# KiCad board MAXI030.kicad_pcb (continued)
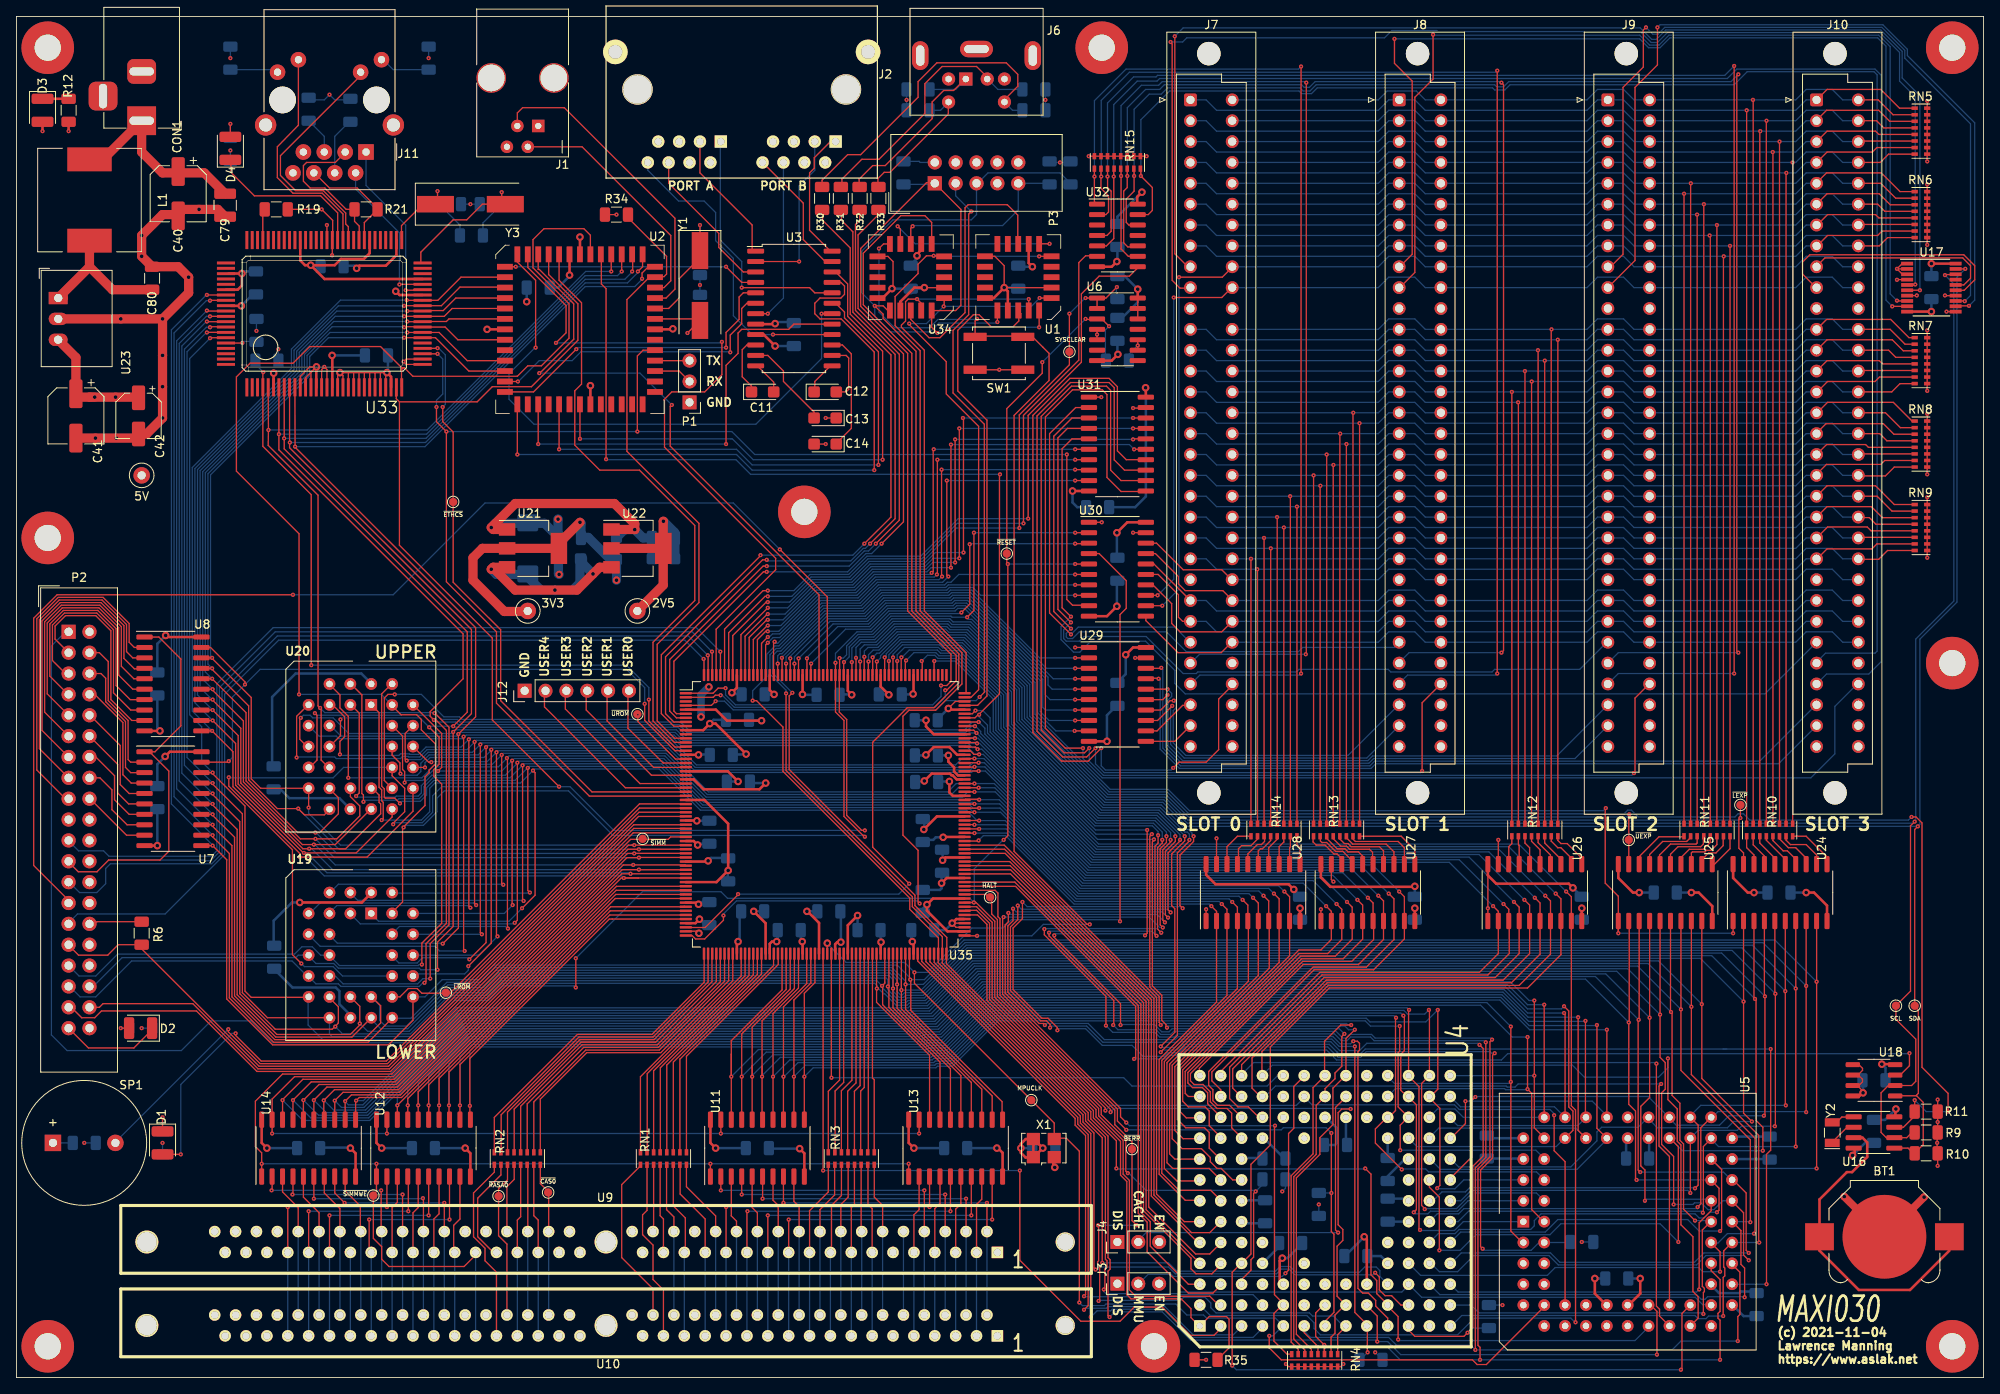
[diagram p0: board, top side]
## Routing (per net, layer and track width the routed paths; a pad name or vN(x,y) marks a point on that pad's centre or on a via; arc(x,y) is an arc through that point) (continued)
  Top w0.152: v1(187.32,58.93) 187.96,58.29 U26.8 187.96,51.5 183.9,47.43 159.77,47.43 152.59,40.26 152.59,28.32 150.24,25.97 150.24,15.05 U4.C4 149.1,14.29 ; v1(202.56,0.95) 202.69,1.08 202.69,7.81 U5.25 ; v1(50.86,80.9) 50.93,80.9 52.64,79.18 52.64,55.12 50.36,52.83 v1(50.36,48.58) ; v1(117.09,79.82) 117.08,79.83 U35.173 ; U33.5 v1(30.67,115.38) 30.64,113.5 36.7,107.44 36.7,81.79 v1(36.96,81.53) 37.08,81.41 37.08,75.18 38.04,74.23 ; 149.1,13.97 147.96,12.83 v1(147.96,1.46) ; U2.50 v1(72.39,134.68)
  Bottom w0.152: v1(147.96,1.46) 148.46,0.95 v1(202.56,0.95) ; v1(187.32,58.93) 181.61,64.64 131.57,64.64 117.86,78.36 117.86,79.07 117.11,79.82 v1(117.09,79.82) 116.33,79.82 115.38,78.87 81.79,78.87 80.84,79.82 53.98,79.82 53.66,80.14 51.69,80.14 50.93,80.9 v1(50.86,80.9) 50.8,80.96 37.53,80.96 v1(36.96,81.53) ; 38.1,74.1 38.1,74.17 ; v1(30.67,115.38) 49.97,115.38 69.28,134.68 v1(72.39,134.68) ; v1(50.36,48.58) 49.47,48.58 48.83,47.94 39.75,47.94 38.86,48.83 38.04,48.83
A2: length 490
  Top w0.152: v1(186.06,58.67) 186.69,58.04 U26.7 186.69,51.56 182.88,47.75 159.64,47.75 151.57,39.69 151.57,36.7 ; v1(116.65,79.31) 116.63,79.33 U35.172 ; U5.24 204.66,7.24 204.66,9.84 204.03,10.48 204.03,17.15 202.56,18.61 202.56,28.32 202.12,28.77 202.12,32.7 200.98,33.85 v1(200.98,38.86) ; U2.49 v1(73.66,134.68) ; U33.7 v1(31.94,114.87) 31.94,112.97 54.36,90.55 54.36,85.09 50.36,81.09 50.36,80.52 v1(50.8,80.07) 51.05,80.07 52.32,78.8 52.32,55.31 49.85,52.83 49.85,48.26 v1(49.66,48.07) ; 35.56,74.17 36.58,75.18 36.58,80.65 v1(36.32,80.9)
  Bottom w0.152: v1(31.94,114.87) 49.91,114.87 69.22,134.18 73.15,134.18 v1(73.66,134.68) ; v1(200.98,38.86) 200.98,37.72 199.83,36.58 190.82,36.58 189.36,38.04 152.84,38.04 151.57,36.77 ; 35.56,48.83 36.45,47.94 39.18,47.94 39.5,47.62 49.02,47.62 49.47,48.07 v1(49.66,48.07) ; v1(36.32,80.9) 36.58,80.65 50.23,80.65 v1(50.8,80.07) 51.05,79.82 53.47,79.82 53.78,79.5 80.64,79.5 81.59,78.55 115.51,78.55 116.29,79.33 116.63,79.33 v1(116.65,79.31) 116.71,79.31 117.35,78.68 117.35,78.42 131.44,64.33 180.4,64.33 v1(186.06,58.67) ; P2.35 6.48,47.62 7.75,46.36 9.65,46.36 14.02,50.72 33.54,50.72 35.37,48.9 35.62,48.9
A3: length 470.7
  Top w0.152: v1(184.79,58.42) 185.42,57.78 U26.6 185.42,51.56 181.93,48.07 159.51,48.07 150.37,38.93 150.37,35.24 151.45,34.16 ; 32.59,114.25 U33.8 ; 32.59,114.25 32.59,114.35 v1(32.58,114.36) ; 32.59,114.25 32.59,113.08 54.86,90.81 54.86,81.03 v1(53.15,79.31) ; v1(116.84,78.49) 116.5,78.83 U35.171 ; U5.23 201.17,26.92 199.9,28.19 199.9,35.5 v1(200.15,35.75) ; v1(39.43,80.14) 39.43,78.17 38.16,76.9 ; v1(49.34,50.29) 49.34,52.9 51.75,55.31 51.75,72.26 50.8,73.22 50.8,74.04 51.44,74.68 51.44,77.98 v1(50.23,79.18) ; 74.99,136.33 74.99,134.75 v1(74.93,134.68)
  Bottom w0.152: P2.33 6.41,50.17 ; P2.33 6.6,50.17 ; P2.33 7.62,48.9 9.65,48.9 12.32,51.56 33.85,51.56 34.73,52.45 36,52.45 37.02,51.44 U19.10 ; v1(39.43,80.14) 39.62,80.33 49.09,80.33 v1(50.23,79.18) 50.36,79.31 v1(53.15,79.31) 53.28,79.18 80.51,79.18 81.46,78.23 115.7,78.23 115.95,78.49 v1(116.84,78.49) 131.32,64.01 179.2,64.01 v1(184.79,58.42) ; v1(49.34,50.29) 49.02,50.29 48.9,50.17 39.31,50.17 38.1,51.37 ; v1(74.93,134.68) 74.93,134.62 74.04,133.73 69.22,133.73 49.85,114.36 v1(32.58,114.36) ; v1(200.15,35.75) 182.75,35.75 182.37,35.37 181.42,35.37 181.29,35.5 153.23,35.5 151.96,34.23 U4.D12
A4: length 476.7
  Top w0.152: U26.5 184.15,57.53 v1(183.51,58.17) ; 33.24,113.82 33.24,113.22 55.37,91.09 55.37,80.84 v1(53.15,78.61) 53.15,54.93 51.24,53.02 v1(51.24,49.66) ; 33.24,113.82 U33.9 ; 33.24,113.82 v1(33.27,113.86) ; v1(75.63,134.68) 76.2,135.25 U2.47 ; U5.22 199.96,7.49 199.96,8.32 199.58,8.7 v1(199.58,38.23) ; U4.C13 149.1,38.1 159.38,48.39 180.91,48.39 184.15,51.63 184.15,55.63 ; 35.56,76.64 34.48,77.72 34.48,80.2 v1(34.61,80.33) ; v1(116.65,77.85) 115.38,77.85 115.32,77.91
  Bottom w0.152: v1(33.27,113.86) 49.78,113.86 69.22,133.29 74.36,133.29 75.63,134.56 v1(75.63,134.68) ; v1(51.24,49.66) 49.21,49.66 49.02,49.85 39.18,49.85 38.61,50.42 36.45,50.42 35.5,51.37 ; v1(183.51,58.17) 177.99,63.69 131.19,63.69 117.03,77.85 v1(116.65,77.85) 116.59,77.91 81.27,77.91 80.31,78.87 53.4,78.87 v1(53.15,78.61) 52.96,78.42 40.45,78.42 38.54,80.33 36.07,80.33 35.75,80.65 34.93,80.65 v1(34.61,80.33) ; P2.36 9.35,47.62 12.85,51.13 33.99,51.13 34.29,51.44 35.37,51.44 35.5,51.31 ; 149.1,36.89 150.56,38.35 199.45,38.35 v1(199.58,38.23)
A5: length 352.4
  Top w0.152: v1(182.25,57.91) 182.88,57.28 U26.4 182.88,51.63 179.96,48.7 159.13,48.7 148.02,37.59 148.02,35.24 149.03,34.23 ; v1(116.9,77.22) 116.79,77.33 U35.168 ; v1(51.88,52.83) 53.78,54.74 v1(53.78,78.36) 55.88,80.45 55.88,91.31 33.91,113.28 v1(33.91,113.35) U33.10 ; v1(76.14,133.79) 76.14,134.49 76.9,135.25 U2.46 77.34,135.25
  Bottom w0.152: v1(51.88,52.83) 51.82,52.9 39.05,52.9 38.1,53.85 ; v1(76.14,133.79) 76.14,133.73 75.25,132.84 69.22,132.84 49.72,113.35 v1(33.91,113.35) ; 53.94,78.45 54.04,78.55 80.18,78.55 81.13,77.6 115.89,77.6 116.27,77.22 v1(116.9,77.22) 117.22,77.22 131.06,63.37 176.78,63.37 v1(182.25,57.91) ; 53.94,78.45 53.85,78.36 v1(53.78,78.36) ; 53.94,78.45 53.59,78.1 39.5,78.1 38.23,79.38
A6: length 257.7
  Top w0.152: U26.3 181.61,57.02 v1(180.98,57.66) ; v1(54.42,78.04) 54.42,52.07 v1(54.55,51.94) ; U4.D11 151.19,31.69 149.92,32.96 148.65,32.96 147.64,33.97 147.64,37.78 158.88,49.02 179.07,49.02 181.67,51.63 181.67,55.63 ; v1(116.97,76.52) 116.71,76.77 115.38,76.77 115.32,76.84
  Bottom w0.152: v1(54.55,51.94) 51.5,51.94 50.93,52.51 36.96,52.51 35.56,53.91 ; 54.67,78.17 54.74,78.23 80.04,78.23 80.99,77.28 115.76,77.28 116.33,76.71 116.78,76.71 v1(116.97,76.52) 117.48,76.52 130.94,63.06 175.58,63.06 v1(180.98,57.66) ; 54.67,78.17 54.29,77.79 39.24,77.79 38.93,78.1 36.83,78.1 U20.7 ; 54.67,78.17 54.55,78.04 v1(54.42,78.04)
A7: length 243.1
  Top w0.152: v1(179.71,57.4) 180.34,56.77 U26.2 180.34,51.63 178.05,49.34 158.62,49.34 146.56,37.27 U4.B13 ; 38.48,81.91 39.94,80.45 39.94,78.04 39.37,77.47 v1(39.37,75.88) ; v1(55.25,57.21) 55.05,57.4 v1(55.05,77.72) ; v1(117.16,75.88) 116.52,75.88 116.08,76.33 U35.166
  Bottom w0.152: v1(55.25,57.21) 55.18,57.21 54.93,57.47 38.99,57.47 38.1,56.58 ; v1(179.71,57.4) 174.37,62.74 130.81,62.74 117.67,75.88 v1(117.16,75.88) 116.62,75.88 115.54,76.96 80.85,76.96 79.9,77.91 55.25,77.91 v1(55.05,77.72) 54.1,76.77 49.85,76.77 48.96,75.88 47.88,75.88 47.82,75.95 46.74,75.95 46.55,75.76 39.5,75.76 v1(39.37,75.88)
A8: length 232.3
  Top w0.152: U27.9 168.91,58.55 v1(168.28,59.18) ; v1(55.94,57.53) 55.75,57.72 v1(55.75,77.41) ; 168.91,55.75 168.91,53.4 165.16,49.66 157.92,49.66 145.48,37.21 145.48,36.13 146.56,35.05 U4.B12 ; v1(34.1,75.5) 34.1,80.52 35.5,81.91 ; v1(116.59,75.37) 115.57,75.37
  Bottom w0.152: 35.56,56.39 36.96,57.78 55.63,57.78 55.88,57.53 v1(55.94,57.53) ; v1(34.1,75.5) 34.16,75.56 38.74,75.56 38.93,75.37 46.74,75.37 46.99,75.63 47.69,75.63 47.75,75.56 49.09,75.56 49.97,76.45 54.83,76.45 55.98,77.6 79.76,77.6 82.75,74.6 114.29,74.6 115.06,75.37 v1(116.59,75.37) 117.73,75.37 130.68,62.42 165.04,62.42 v1(168.28,59.18)
A9: length 209.8
  Top w0.152: v1(117.09,74.87) 115.42,74.87 U35.163 ; v1(47.5,75.12) 47.31,75.31 47.31,78.42 U20.27 ; U4.C11 147.64,33.15 146.18,33.15 145.61,33.72 145.61,35.05 145.1,35.56 145.1,37.27 157.8,49.97 164.27,49.97 167.64,53.34 U27.8 167.64,58.29 v1(167,58.93) ; v1(56.45,77.09) 56.45,54.17 v1(56.64,53.98)
  Bottom w0.152: U20.27 48.2,79.44 ; 56.51,77.14 55.5,76.14 50.1,76.14 49.21,75.25 47.63,75.25 v1(47.5,75.12) ; 56.51,77.14 v1(56.45,77.09) ; 56.51,77.14 56.64,77.28 79.62,77.28 82.6,74.3 115.82,74.3 116.4,74.87 v1(117.09,74.87) 117.79,74.87 130.56,62.1 163.83,62.1 v1(167,58.93) ; v1(56.64,53.98) U19.27
A10: length 206.3
  Top w0.152: 143.95,36.7 143.95,37.66 156.59,50.29 163.32,50.29 166.37,53.34 U27.7 166.37,58.04 v1(165.74,58.67) ; v1(57.15,76.77) 57.15,52.96 v1(55.12,50.93) ; U20.26 45.72,75.79 46.67,74.83 46.67,73.6 v1(46.74,73.53) ; U35.162 116.56,74.33 v1(116.59,74.36)
  Bottom w0.152: v1(46.74,73.53) 46.93,73.34 48.77,73.34 49.21,73.79 49.21,74.8 50.23,75.82 56.2,75.82 v1(57.15,76.77) 57.34,76.96 79.48,76.96 82.45,73.99 116.09,73.99 116.46,74.36 v1(116.59,74.36) 117.86,74.36 130.43,61.79 162.62,61.79 v1(165.74,58.67) ; v1(55.12,50.93) 54.93,51.12 49.4,51.12 48.77,50.48 46.55,50.48 45.66,51.37
A11: length 208.3
  Top w0.152: 165.16,55.63 165.16,53.34 162.5,50.67 156.53,50.67 142.88,37.02 142.88,36.13 143.32,35.69 144.4,35.69 145.29,34.8 145.29,33.59 146.11,32.77 147.32,32.77 147.89,32.19 147.89,30.42 149.1,29.21 U4.C10 ; v1(49.72,74.3) U20.23 48.2,74.36 ; v1(164.47,58.42) 165.1,57.78 U27.6 ; v1(117.09,73.85) 115.63,73.85 ; v1(57.79,76.45) 57.79,52.9 v1(54.99,50.1)
  Bottom w0.152: v1(54.99,50.1) 54.99,49.59 54.55,49.15 48.39,49.15 48.07,48.83 ; v1(164.47,58.42) 161.42,61.47 130.3,61.47 117.92,73.85 v1(117.09,73.85) 116.4,73.85 116.23,73.69 82.3,73.69 79.34,76.64 57.98,76.64 v1(57.79,76.45) 57.85,76.45 56.9,75.5 50.36,75.5 49.72,74.87 v1(49.72,74.3)
A12: length 200.6
  Top w0.152: v1(50.48,74.93) 50.17,74.93 U20.25 ; v1(163.19,58.17) 163.83,57.53 U27.5 163.83,53.37 161.45,50.99 156.4,50.99 142.56,37.15 142.56,35.88 143.13,35.31 144.34,35.31 144.97,34.67 144.97,33.34 146.56,31.75 ; v1(58.55,53.72) 58.42,53.85 v1(58.42,76.14) ; v1(116.59,72.33) 116.58,72.33 U35.158
  Bottom w0.152: v1(50.48,74.93) 50.55,74.99 57.28,74.99 58.48,76.2 58.58,76.2 ; v1(58.55,53.72) 56.26,51.44 48.51,51.44 48.39,51.56 ; 58.48,76.07 v1(58.42,76.14) 58.61,76.33 79.2,76.33 84.21,71.31 113.35,71.31 114.36,72.33 v1(116.59,72.33) 119,72.33 130.18,61.15 160.21,61.15 v1(163.19,58.17)
A13: length 218.9
  Top w0.152: 38.1,84.39 39.37,83.12 39.37,81.53 40.39,80.52 v1(40.39,73.03) ; v1(59.25,60.01) 59.06,60.2 v1(59.06,75.82) ; v1(117.09,71.82) 115.63,71.82 ; v1(161.93,57.91) 162.56,57.28 U27.4 ; 162.62,55.5 162.56,55.44 162.56,53.37 160.5,51.31 156.27,51.31 142.24,37.27 142.24,34.61 142.62,34.23 U4.A12
  Bottom w0.152: 59.13,75.83 59.07,75.83 57.91,74.68 50.99,74.68 49.34,73.03 v1(40.39,73.03) ; 59.2,75.83 59.18,75.82 v1(59.06,75.82) 59.25,76.01 79.06,76.01 84.07,70.99 113.79,70.99 114.62,71.82 v1(117.09,71.82) 119.06,71.82 130.05,60.83 159,60.83 v1(161.93,57.91) ; 38.16,59.06 38.1,58.99 39.18,60.07 59.18,60.07 v1(59.25,60.01)
A14: length 209.2
  Top w0.152: v1(59.82,54.67) 59.75,54.74 59.75,75.37 v1(59.69,75.44) ; v1(160.66,57.66) 161.29,57.02 U27.3 ; v1(116.59,71.31) 116.57,71.33 U35.156 ; U4.B10 146.62,29.21 145.16,30.67 145.16,32.45 144.65,32.96 142.62,32.96 141.92,33.66 141.92,37.47 156.08,51.63 159.58,51.63 161.29,53.34 161.29,55.31 161.35,55.37 ; v1(47.24,72.45) 47.24,73.79 46.99,74.04 46.99,78.1 45.66,79.44
  Bottom w0.152: v1(47.24,72.45) 47.5,72.71 49.47,72.71 51.12,74.36 58.64,74.36 59.82,75.53 ; v1(59.82,54.67) 59.75,54.67 59.5,54.93 46.61,54.93 45.66,53.98 ; 59.82,75.44 v1(59.69,75.44) 59.94,75.69 78.92,75.69 83.93,70.68 115.13,70.68 115.76,71.31 v1(116.59,71.31) 119.13,71.31 129.92,60.52 157.8,60.52 v1(160.66,57.66)
A15: length 194.9
  Top w0.152: v1(117.16,70.36) 117.09,70.42 115.48,70.42 U35.154 ; v1(51.31,73.85) 51.75,74.3 51.75,78.42 48.32,81.85 ; 143.76,31.62 142.37,31.62 141.61,32.39 141.61,37.59 156.08,52.07 158.75,52.07 160.02,53.34 U27.2 160.02,56.77 v1(159.38,57.4) ; v1(60.33,75.12) 60.33,57.59 v1(60.39,57.53)
  Bottom w0.152: v1(60.39,57.53) 59.37,56.52 U19.29 ; 51.31,73.79 51.37,73.79 v1(51.31,73.85) 59.06,73.85 v1(60.33,75.12) 60.58,75.37 78.78,75.37 83.79,70.36 v1(117.16,70.36) 119.6,70.36 129.76,60.2 156.59,60.2 v1(159.38,57.4)
A16: length 217.2
  Top w0.152: v1(154.31,59.18) 154.94,58.55 U28.9 ; v1(60.96,74.87) 60.96,55.69 v1(60.64,55.37) ; 40.64,81.98 41.72,80.9 41.72,71.18 v1(41.34,70.8) ; U4.B9 146.49,26.61 145.16,27.94 145.16,29.84 144.59,30.42 142.3,30.42 141.29,31.43 141.29,37.72 154.94,51.37 154.94,55.56 ; v1(116.59,69.85) 116.57,69.83 U35.153
  Bottom w0.152: 40.64,56.45 41.85,55.25 60.52,55.25 v1(60.64,55.37) ; 61.06,74.77 60.93,74.77 59.5,73.34 50.55,73.34 49.28,72.07 49.28,71.18 48.9,70.8 46.23,70.8 46.1,70.68 41.47,70.68 v1(41.34,70.8) ; v1(154.31,59.18) 153.61,59.88 129.64,59.88 119.67,69.85 v1(116.59,69.85) 116.4,70.04 83.65,70.04 78.64,75.06 61.15,75.06 v1(60.96,74.87)
A17: length 212.7
  Top w0.152: v1(153.04,58.93) 153.67,58.29 U28.8 153.67,50.55 140.97,37.85 140.97,30.1 141.99,29.08 144.02,29.08 ; v1(61.72,58.04) 61.6,58.17 v1(61.6,74.55) ; v1(117.16,69.34) 117.15,69.33 U35.152 ; 40.64,84.52 42.04,83.12 42.04,71.12 42.23,70.93 v1(42.23,70.1)
  Bottom w0.152: 152.97,58.93 v1(153.04,58.93) 152.4,59.56 144.46,59.56 ; 144.46,59.56 144.4,59.56 ; 144.46,59.56 129.48,59.56 119.7,69.34 v1(117.16,69.34) 116.4,69.34 116.01,69.72 83.52,69.72 78.5,74.74 61.79,74.74 v1(61.6,74.55) ; 40.64,58.99 41.53,58.1 61.66,58.1 v1(61.72,58.04) ; 61.66,74.61 60.07,73.03 50.67,73.03 49.59,71.95 49.59,71.06 49.02,70.49 46.55,70.49 46.36,70.29 42.42,70.29 v1(42.23,70.1)
A18: length 209.4
  Top w0.152: v1(151.76,58.67) 152.4,58.04 U28.7 ; v1(116.59,68.83) 116.58,68.83 U35.151 ; v1(46.67,69.91) 46.04,70.55 44.89,70.55 44.77,70.68 44.77,71.69 44.45,72.01 44.45,83.25 45.66,84.46 ; v1(62.23,74.23) 62.23,59.31 v1(62.48,59.06) ; 152.46,55.5 152.46,49.85 140.65,38.04 140.65,29.08 141.86,27.88 144.21,27.88 145.29,26.8 145.29,26.29 146.11,25.46 146.62,25.46 148.02,24.07 U4.C8
  Bottom w0.152: 45.78,58.99 62.42,58.99 v1(62.48,59.06) ; v1(62.23,74.23) 62.42,74.42 78.38,74.42 83.39,69.41 115.89,69.41 116.46,68.83 v1(116.59,68.83) 119.76,68.83 129.35,59.25 151.19,59.25 v1(151.76,58.67) ; v1(46.67,69.91) 46.93,70.17 49.15,70.17 49.91,70.93 49.91,71.82 50.8,72.71 60.67,72.71 62.26,74.3
A19: length 210.3
  Top w0.152: v1(150.5,58.42) 151.13,57.78 U28.6 151.13,48.96 140.34,38.16 140.34,27.24 140.97,26.61 144.21,26.61 ; U35.149 117.15,67.83 v1(117.16,67.82) ; v1(44.45,67.88) 44.64,68.07 44.64,70.04 44.45,70.23 44.45,71.56 44.13,71.88 44.13,80.96 43.12,81.98 ; v1(62.87,73.91) 63.12,73.66 63.12,58.74 v1(61.53,57.15)
  Bottom w0.152: v1(61.53,57.15) 59.94,55.56 44.07,55.56 43.18,56.45 ; v1(150.5,58.42) 149.99,58.93 129.22,58.93 120.33,67.82 v1(117.16,67.82) 116.9,67.82 115.63,69.09 83.24,69.09 78.22,74.1 63.06,74.1 v1(62.87,73.91) 61.34,72.39 50.93,72.39 50.29,71.75 50.29,68.9 49.28,67.88 v1(44.45,67.88)
A20: length 81.5
  Top w0.152: U28.5 149.86,57.53 v1(149.23,58.17) ; 149.92,55.69 149.92,48.26 140.02,38.35 140.02,26.16 140.72,25.46 145.16,25.46 U4.B8 ; v1(116.59,67.31) 116.57,67.33 U35.148
  Bottom w0.152: v1(116.59,67.31) 120.4,67.31 129.1,58.61 148.78,58.61 v1(149.23,58.17)
A21: length 77.7
  Top w0.152: v1(147.96,57.91) 148.59,57.28 U28.4 148.59,47.37 139.7,38.48 139.7,25.46 141.22,23.94 144.02,23.94 144.08,24 ; v1(117.16,66.8) 115.42,66.8 U35.147
  Bottom w0.152: v1(117.16,66.8) 120.46,66.8 128.97,58.29 147.57,58.29 v1(147.96,57.91)
A22: length 80
  Top w0.152: U28.3 147.32,57.02 v1(146.69,57.66) ; 147.32,55.75 147.32,46.55 139.38,38.61 139.38,24.89 141.48,22.8 145.35,22.8 146.56,21.59 U4.B7 ; 115.38,66.36 115.44,66.29 v1(116.59,66.29)
  Bottom w0.152: v1(146.69,57.66) 146.37,57.98 128.84,57.98 120.52,66.29 v1(116.59,66.29)
A23: length 76
  Top w0.152: v1(145.42,57.4) 146.05,56.77 U28.2 146.05,45.72 139.06,38.73 139.06,24.77 142.24,21.59 144.15,21.59 ; v1(117.09,65.41) 117.02,65.33 U35.144
  Bottom w0.152: v1(145.42,57.4) 145.16,57.66 128.71,57.66 120.4,65.98 117.67,65.98 v1(117.09,65.41)
A24: length 61.6
  Top w0.152: U4.A6 142.11,18.99 138.75,22.35 138.75,46.29 120.21,64.83 U35.143
A25: length 65.1
  Top w0.152: U35.142 120.26,64.33 138.43,46.16 138.43,22.23 143,17.65 145.22,17.65 U4.B6
A26: length 62.2
  Top w0.152: 143.89,16.45 143.76,16.45 138.11,22.1 138.11,46.04 120.32,63.83 U35.141
A27: length 66.2
  Top w0.152: 146.56,16.38 145.22,15.05 143.51,15.05 137.8,20.76 137.8,45.91 120.88,62.83 U35.139
A28: length 63.5
  Top w0.152: U4.A4 137.48,20.45 137.48,45.78 120.93,62.33 U35.138
A29: length 67.5
  Top w0.152: U35.137 120.99,61.83 137.16,45.66 137.16,20.32 142.94,14.54 142.94,13.24 143.54,12.64 145.48,12.64 146.49,13.65
A30: length 65.7
  Top w0.152: 143.83,11.37 142.62,11.37 137.99,16 137.99,18.99 136.84,20.13 136.84,45.47 120.98,61.33 U35.136
A31: length 69.2
  Top w0.152: 146.56,11.24 145.61,10.29 142.62,10.29 137.6,15.3 137.6,18.92 136.53,20 136.53,45.31 121.5,60.33 U35.134
BUZZER: length 89.8
  Top w0.152: 81.47,68.83 75.76,68.83 45.15,38.23 29.65,38.23 25.78,42.1 v1(25.78,42.42)
  Bottom w0.152: v1(25.78,42.42) 12.05,28.68 SP1.2
CFCLOCK: length 69.3
  Top w0.152: 112.9,131.44 112.9,130.49 v1(112.84,130.43) ; v1(124.52,131.44) 125.48,131.44 ; v1(108.65,128.33) 108.65,128.21 113.16,123.7 113.16,119.82 ; U35.179 116.17,82.83 117.09,83.76 117.09,115.82 113.16,119.76
  Bottom w0.152: v1(124.52,131.44) 123.51,130.43 v1(112.84,130.43) 110.74,128.33 v1(108.65,128.33)
CFCONFIG: length 125.9
  Top w0.152: U34.13 105.52,138.03 v1(104.97,137.48) ; 124.97,125.41 123.67,126.71 SW1.1 122.38,126.81 116.78,126.81 116.68,126.71 SW1.1 116.67,128.67 v1(116.9,128.91) ; v1(116.9,53.78) 115.32,53.78 ; v1(130.62,55.18) 130.3,55.18 121.41,64.07 121.41,117.16 125.67,121.41 125.67,124.71 124.9,125.48
  Bottom w0.152: v1(104.97,137.48) 104.97,129.73 106.87,127.83 111.12,127.83 112.14,128.84 116.84,128.84 v1(116.9,128.91) ; v1(116.9,53.78) 123.57,53.78 124.97,55.18 v1(130.62,55.18)
CFDATA: length 69.2
  Top w0.152: U34.2 110.11,130.81 v1(109.6,131.32) 108.52,131.32 108.2,131 108.2,128.65 107.7,128.14 107.7,127.89 110.49,125.09 110.49,93.34 115.57,88.27 115.57,83.44 115.51,83.38 ; U1.2 v1(123.19,131.32)
  Bottom w0.152: v1(109.6,131.32) v1(123.19,131.32)
CFDONE: length 105.6
  Top w0.152: 111.38,137.54 U34.9 ; 111.38,138.24 111.38,140.65 110.55,141.48 107.63,141.48 103.06,136.91 103.06,130.62 108.97,124.71 108.97,93.34 114.36,87.95 114.36,84.85 113.21,83.69 v1(113.03,83.69) ; v1(85.7,83.08) 85.05,83.08 84.8,82.83 U35.2
  Bottom w0.152: v1(113.03,83.69) 113.03,82.87 111.77,81.61 87.36,81.61 85.89,83.08 v1(85.7,83.08)
CFSTATUS: length 137
  Top w0.152: 112.71,136.59 v1(111.63,136.59) 110.74,136.59 109.73,135.57 109.73,134.43 106.93,131.64 106.93,128.08 109.98,125.03 109.98,93.34 115.06,88.27 115.06,84.46 111.86,81.25 108.61,81.25 107.89,80.53 107.89,66.04 109.73,64.2 109.73,57.91 v1(109.92,57.72) ; U1.8 v1(124.46,136.53) ; v1(86.04,56.26) 86.04,55.69 83.76,53.4 82.65,53.4 82.22,53.83 U35.60
  Bottom w0.152: v1(111.63,136.59) 111.7,136.53 v1(124.46,136.53) ; v1(109.92,57.72) 109.6,58.04 87.63,58.04 86.04,56.45 v1(86.04,56.26)
CFTOCORE: length 60.6
  Top w0.152: 121.74,129.93 U1.1 121.92,129.86 122.24,129.54 122.24,129.03 ; 115.51,81.85 116.97,81.85 118.11,82.99 118.11,116.59 114.55,120.14 114.55,127.51 116.46,129.41 117.16,129.41 118.62,127.95 121.28,127.95 121.98,128.65 121.98,129.86
CORETOHEADER: length 103.2
  Top w0.152: v1(85.09,82.36) 84.58,81.85 81.47,81.85 ; 116.27,141.99 v1(116.21,141.99) 115.89,141.67 115.89,129.41 113.98,127.51 113.98,119.89 117.79,116.08 117.79,83.44 v1(117.22,82.87)
  Bottom w0.152: 116.27,141.99 v1(116.21,141.99) 114.3,143.89 P3.3 ; v1(85.09,82.36) 86.17,82.36 87.22,81.31 111.98,81.31 113.09,82.42 116.78,82.42 v1(117.22,82.87)
CTSA232: length 16.2
  Top w0.152: 90.74,148.02 95.76,143 95.76,138.56 98.43,135.89 U3.23
CTSB232: length 38.2
  Top w0.152: v1(92.08,127) 99.7,127
  Bottom w0.152: v1(92.08,127) 89.54,127 87.25,129.29 87.25,136.27 85.09,138.43 85.09,141.86 83.69,143.26 80.58,143.26 76.84,147 76.84,147.96
D0: length 168.2
  Top w0.152: 183.39,16.64 U5.3 183.26,16.45 181.86,17.84 v1(181.86,36) v1(181.86,42.74) ; U35.80 93.18,47.2 87,41.02 87,39.37 ; 87,39.37 87,31.18 ; 87,39.37 v1(87,36.64)
  Bottom w0.152: v1(181.86,36) 181.67,35.81 167.7,35.81 166.81,36.7 ; v1(181.86,42.74) 178.94,45.66 118.55,45.66 113.03,40.13 111,40.13 110.81,39.94 90.3,39.94 v1(87,36.64)
D1: length 164.4
  Top w0.152: U5.2 185.86,18.99 184.4,20.45 184.4,34.61 v1(183.9,35.12) v1(183.9,41.47) ; 88.33,31.18 88.27,31.24 v1(88.27,36.64) 88.27,41.85 93.68,47.26 U35.81
  Bottom w0.152: v1(183.9,35.12) 183.83,35.05 181.23,35.05 181.1,35.18 167.83,35.18 U4.K12 ; v1(88.27,36.64) 91.25,39.62 111,39.62 111.19,39.81 113.16,39.81 118.68,45.34 178.18,45.34 182.05,41.47 v1(183.9,41.47)
D2: length 147.8
  Top w0.152: 169.35,36.77 170.69,35.43 170.69,18.1 v1(170.81,17.97) ; 89.54,37.97 v1(89.54,36.64) ; 89.54,37.97 89.54,42.67 94.18,47.31 U35.82 ; 89.54,37.97 89.54,31.62 89.41,31.5 ; v1(169.48,44.77) 169.42,44.7 169.42,36.96 169.48,36.89
  Bottom w0.152: v1(170.81,17.97) 170.88,17.91 175.01,17.91 176.09,18.99 U5.1 ; U4.L13 168.97,36.77 ; v1(89.54,36.64) 89.54,36.77 92.08,39.31 111.12,39.31 111.32,39.5 113.28,39.5 118.81,45.02 169.23,45.02 v1(169.48,44.77)
D3: length 148.7
  Top w0.152: v1(171.39,20.51) 171.39,20.57 171.01,20.95 171.01,35.81 U4.M13 ; U35.83 94.68,47.37 90.74,43.43 90.74,37.91 ; 90.74,37.91 v1(90.74,36.64) ; 90.74,37.91 90.74,31.56 90.81,31.5 ; 172.02,36.64 171.96,36.7 171.96,44.7 v1(171.89,44.77)
  Bottom w0.152: v1(171.39,20.51) 171.45,20.57 175.26,20.57 177.17,22.48 184.98,22.48 U5.68 ; v1(90.74,36.64) 90.74,36.77 92.96,38.99 111.32,38.99 111.51,39.18 113.41,39.18 118.94,44.7 168.85,44.7 169.29,44.26 171.39,44.26 v1(171.89,44.77)
D4: length 140.8
  Top w0.152: 169.42,34.16 170.37,33.21 170.37,20.45 v1(170.05,20.13) ; 92.08,36.7 92.08,31.31 ; 92.08,36.7 v1(92.08,36.64) ; 92.08,36.7 92.08,44.32 95.18,47.42 U35.84 ; v1(168.78,44.07) 168.91,43.94 168.91,39.81 168.47,39.37 168.47,34.99 169.23,34.23 169.23,34.29
  Bottom w0.152: v1(170.05,20.13) 170.24,19.94 171.77,19.94 172.09,20.26 175.39,20.26 176.66,21.53 U5.67 ; v1(92.08,36.64) 94.11,38.67 111.44,38.67 111.63,38.86 113.54,38.86 119.06,44.39 168.47,44.39 v1(168.78,44.07)
D5: length 137.8
  Top w0.152: 93.34,36.7 v1(93.34,36.64) ; 93.34,36.7 93.34,31.43 ; 93.34,36.7 93.34,45.15 96.18,47.98 U35.86 ; v1(167.89,43.81) 167.83,43.75 167.83,32.51 166.94,31.62 ; v1(168.59,25.34) 165.38,28.55 165.38,30.28 166.7,31.6
  Bottom w0.152: U5.66 185.93,24.1 184.99,25.04 171.86,25.04 171.5,25.4 168.66,25.4 v1(168.59,25.34) ; v1(167.89,43.81) 167.64,44.07 119.19,44.07 113.67,38.54 111.82,38.54 111.63,38.35 95.12,38.35 93.41,36.64 v1(93.34,36.64)
D6: length 136.9
  Top w0.152: v1(172.97,44.77) 172.97,35.12 172.02,34.16 ; 94.62,36.7 v1(94.62,36.64) ; 94.62,36.7 94.62,45.97 96.68,48.03 U35.87 ; 94.62,36.7 94.62,31.5 ; v1(172.9,23.06) 173.23,23.39 173.23,32.79 171.88,34.14
  Bottom w0.152: v1(172.97,44.77) 171.51,43.31 164.72,43.31 164.27,43.75 119.32,43.75 113.79,38.23 111.95,38.23 111.76,38.04 96.01,38.04 v1(94.62,36.64) ; v1(172.9,23.06) 172.97,22.99 175.06,22.99 176.14,24.07 U5.65
D7: length 130.3
  Top w0.152: U4.L11 168.15,32.96 168.15,39.56 168.34,39.75 v1(168.34,42.8) ; U35.88 97.18,48.09 95.89,46.8 v1(95.89,36.64) 95.89,31.43 ; v1(168.4,27.69) 168.4,30.73 169.29,31.62
  Bottom w0.152: U5.64 185.93,26.67 184.91,27.69 v1(168.4,27.69) ; v1(168.34,42.8) 164.78,42.8 164.15,43.43 119.44,43.43 113.92,37.91 112.08,37.91 111.89,37.72 96.96,37.72 v1(95.89,36.64)
D8: length 221.8
  Top w0.152: U4.N13 174.56,36.77 ; U5.62 185.93,29.21 184.72,30.42 v1(184.72,36.77) v1(184.72,45.91) ; U12.18 v1(46.36,33.15) 73.03,59.82 81.41,59.82 81.47,59.88
  Bottom w0.152: v1(184.72,36.77) 174.37,36.77 ; v1(184.72,45.91) 184.09,45.91 181.8,48.2 117.54,48.2 112.08,42.74 109.98,42.74 109.73,42.48 54.61,42.48 46.36,34.23 v1(46.36,33.15)
D9: length 222.2
  Top w0.152: 47.63,32.96 47.63,31.31 ; 47.63,32.96 47.63,33.97 72.98,59.33 U35.49 ; 47.63,32.96 v1(47.63,33.15) ; v1(185.93,45.4) 185.93,31.75
  Bottom w0.152: v1(47.63,33.15) 47.63,35.05 54.74,42.16 109.86,42.16 110.11,42.42 112.2,42.42 117.67,47.88 181.42,47.88 183.9,45.4 v1(185.93,45.4) ; U5.60 176.09,31.69 175.07,32.7 172.94,32.7 171.93,31.7
D10: length 231
  Top w0.152: v1(188.34,45.21) 188.91,44.64 188.91,32.96 189.42,32.45 189.42,30.1 188.4,29.08 ; U35.50 72.93,58.83 48.9,34.8 v1(48.9,33.15) U12.16 ; 81.22,58.8 81.28,58.86
  Bottom w0.152: U5.59 188.4,29.15 187.39,28.13 170.43,28.13 169.55,29.02 ; v1(48.9,33.15) 48.9,35.88 54.86,41.85 109.98,41.85 110.24,42.1 112.33,42.1 117.79,47.56 181.23,47.56 183.9,44.89 188.02,44.89 v1(188.34,45.21)
D11: length 220.5
  Top w0.152: U35.51 72.87,58.33 50.17,35.62 50.17,32.89 ; 50.17,32.89 v1(50.17,33.15) ; 50.17,32.89 50.17,31.24 ; 188.47,31.62 188.47,44.26 v1(188.34,44.39)
  Bottom w0.152: 188.49,31.65 187.17,32.97 175.74,32.97 174.5,34.21 U4.N12 ; v1(50.17,33.15) 50.17,36.7 54.99,41.53 110.17,41.53 110.43,41.78 112.46,41.78 117.92,47.24 181.04,47.24 183.9,44.39 v1(188.34,44.39)
D12: length 227
  Top w0.152: v1(190.06,43.88) 190.06,30.1 U5.57 ; 51.44,33.27 v1(51.44,33.15) ; 51.44,33.27 51.44,31.4 ; 51.44,33.27 51.44,36.45 72.31,57.33 81.2,57.33 81.28,57.4
  Bottom w0.152: U5.57 191,29.15 189.76,30.38 173.1,30.38 171.98,29.26 ; v1(51.44,33.15) 51.44,37.53 55.12,41.21 110.3,41.21 110.55,41.47 112.59,41.47 118.05,46.93 180.91,46.93 183.96,43.88 v1(190.06,43.88)
D13: length 220
  Top w0.152: 52.64,33.21 52.64,37.21 72.26,56.83 U35.54 ; 52.64,33.21 v1(52.64,33.15) ; 52.64,33.21 52.64,31.69 ; v1(190.94,43.43) 190.94,31.88 191.13,31.69 ; 52.71,31.5 52.71,31.56
  Bottom w0.152: U5.56 191.01,31.67 190.02,30.68 175.39,30.68 174.47,31.6 ; v1(52.64,33.15) 52.64,38.23 55.31,40.89 110.43,40.89 110.62,41.08 112.65,41.08 118.17,46.61 180.78,46.61 184.02,43.37 190.88,43.37 v1(190.94,43.43)
